# Altium PCB LimeSDR-X3_1v0.PcbDoc (part 9 of 25)
Units mm, origin at the board's own origin, x right, y up, seen from the top; angles counter-clockwise.
Board outline 232.5 x 111.15 mm, 12 copper layers (Top, L2, L3, L4, L5, L6, L7, L8, L9, L10, L11, Bottom), stack 1.596 mm thick; 2057 components, 1391 nets, 8880 pads, 3657 vias.
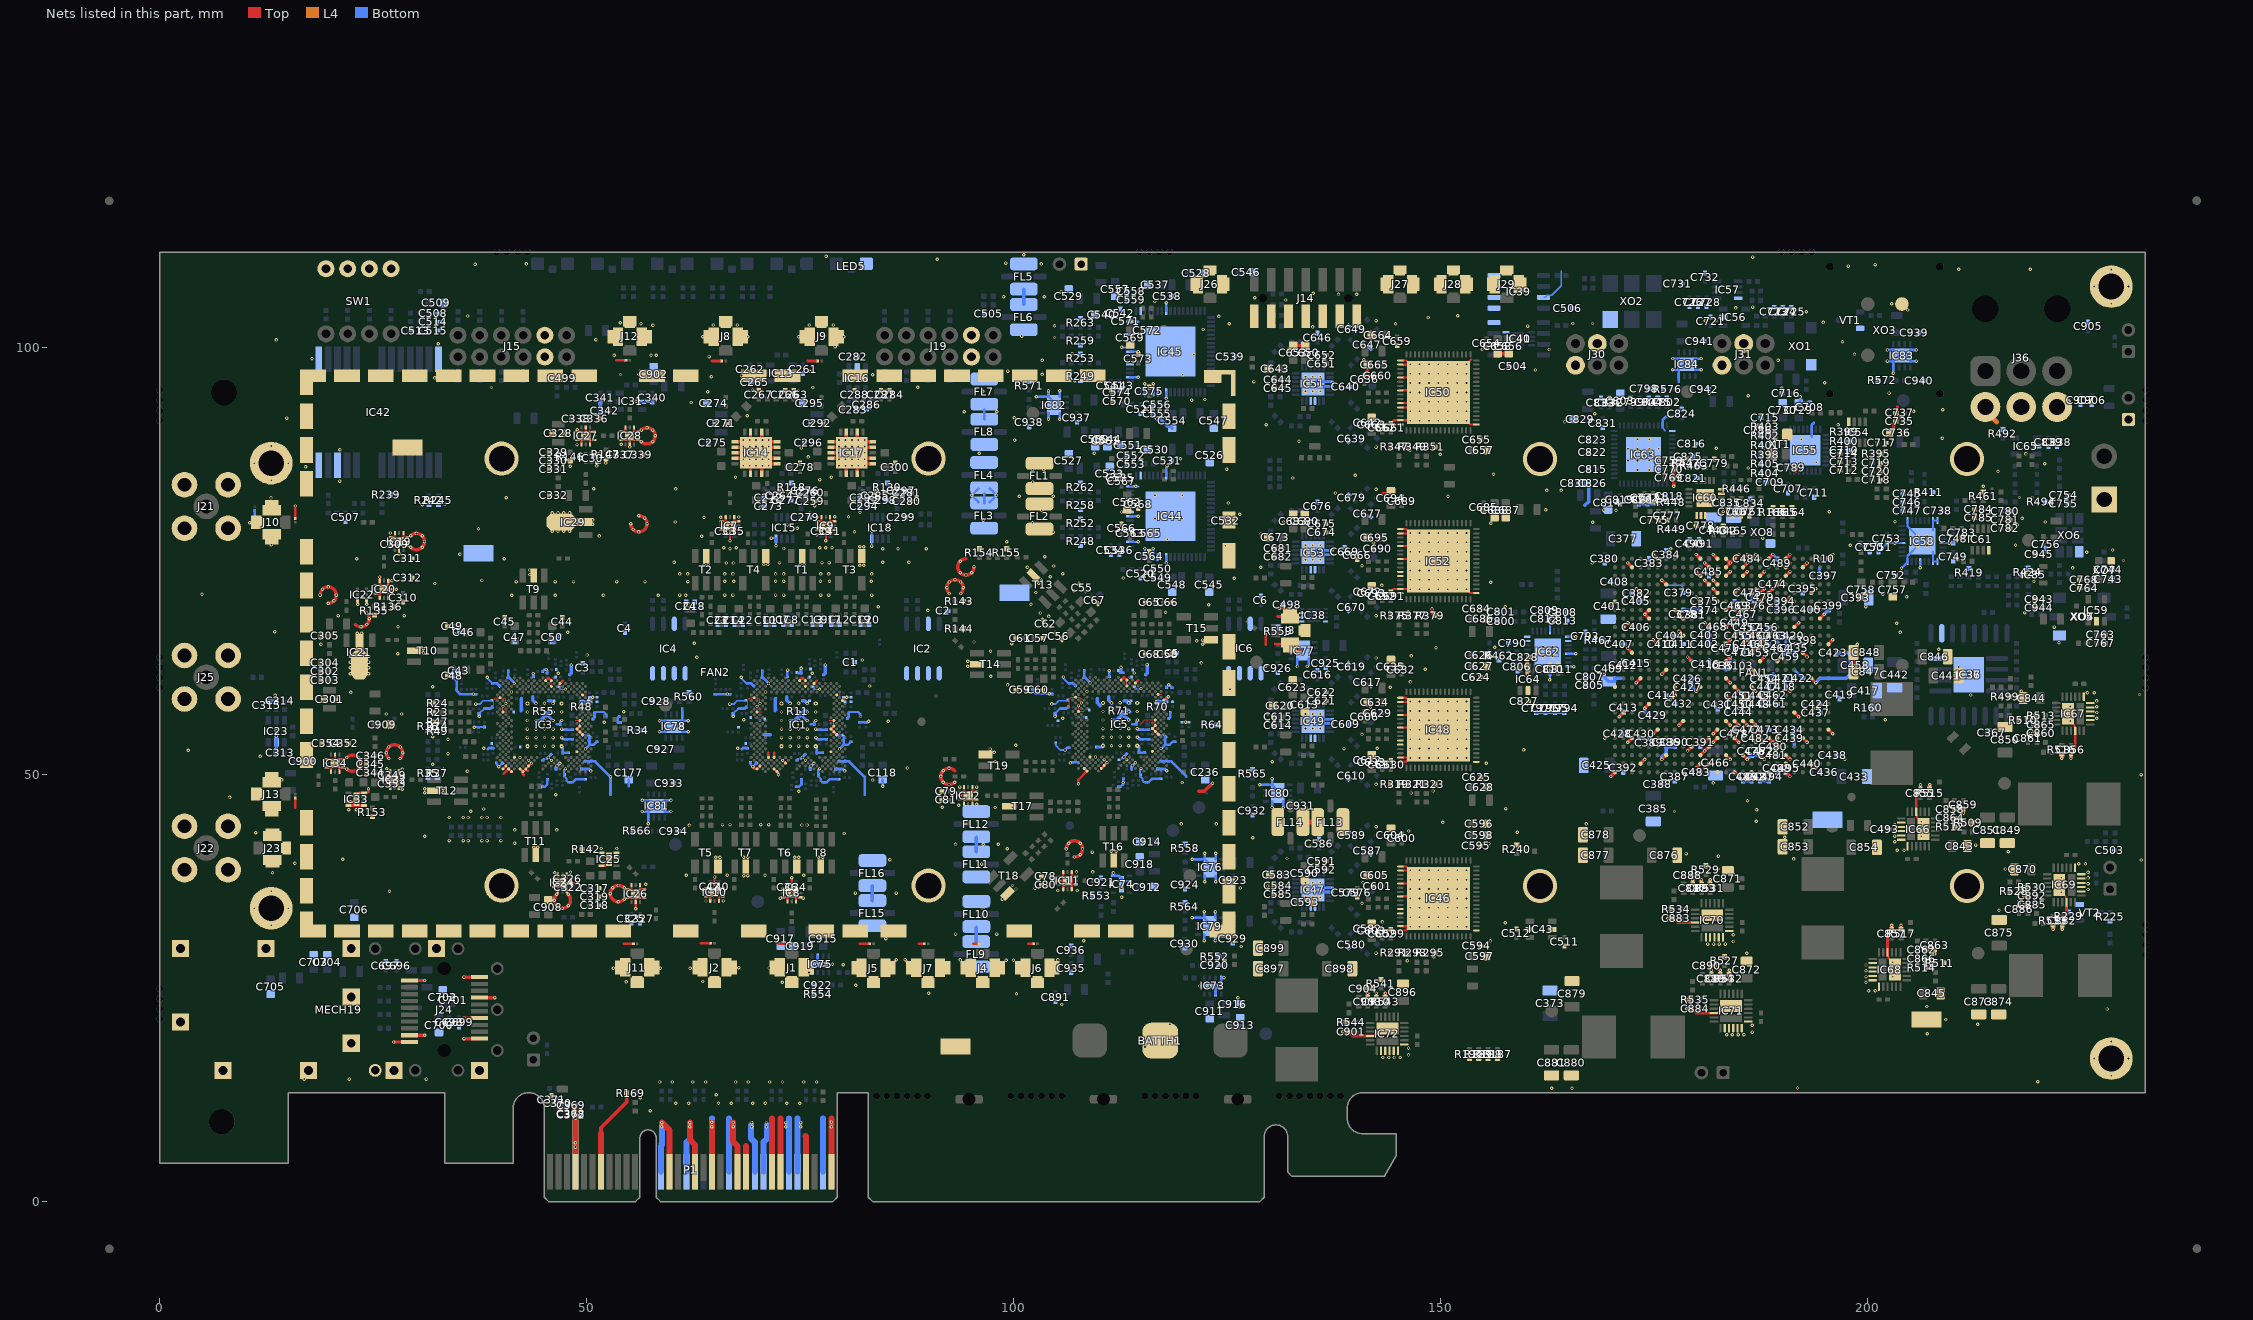
[diagram p19: the nets of this part, all layers, seen from the top]

## Via types
v1: diameter 0.4, hole 0.2, Top to Bottom, tented both sides, 3068 vias
v2: diameter 0.35, hole 0.2, Top to Bottom, tented both sides, 272 vias
v3: diameter 0.5, hole 0.2, Top to Bottom, tented bottom, 196 vias
v4: diameter 0.5, hole 0.2, Top to Bottom, tented both sides, 102 vias
v5: diameter 0.8, hole 0.4, Top to Bottom, tented both sides, 13 vias
v6: diameter 0.4, hole 0.2, Top to Bottom, tented top, 6 vias

## Nets (pads, with @x,y where several pads share a name; then routed paths per layer and width w, separated by ;. In a path a pad name is that pad's centre, name@x,y a point inside that pad or via, vN(x,y) a via of type N, cw(c..) or ccw(c..) an arc to the next point about the centre after c; other vN are vias at no path point) (continued)
GND: BATTH1.2 C1.2 C2.2 C3.2 C4.2 C5.2 C6.2 C7.1 C8.1 C9.1 C10.1 C11.1 C12.1 C13.1 C14.1 C17.1 C18.1 C19.1 C20.1 C21.1 C22.1 C23.1 C24.1 C33.2 C34.2 C35.1 C36.1 C39.2 C40.2 C41.1 C42.1 C43.1 C44.1 C45.1 C46.1 C47.1 C48.1 C49.1 C50.1 C55.1 C56.1 C57.1 C58.1 C59.1 C60.1 C61.1 C62.1 C65.1 C66.1 C67.1 C68.1 C78.2 C79.2 C80.1 C81.1 C82.2 C83.2 C84.2 C85.2 C86.2 C87.1 C88.2 C89.2 C90.2 C91.2 C92.2 C93.2 C94.2 C95.2 C96.2 C97.2 C98.2 C99.2 C100.1 C101.2 C102.2 C103.2 C104.2 C105.2 C106.2 C107.1 C108.2 C109.1 C110.1 C111.2 C112.2 C113.2 C114.2 C115.2 C116.2 C117.2 C118.1 C119.2 C120.2 C121.2 C122.2 C123.2 C124.2 C125.2 C126.2 C127.2 C128.2 C129.2 C130.2 C131.2 C132.2 C133.2 C134.2 C135.2 C136.2 C137.2 C138.2 C139.2 C140.2 C141.2 C142.2 C143.2 C144.2 C145.2 C146.1 C147.2 C148.2 C149.2 C150.2 C151.2 C152.2 C153.2 C154.2 C155.2 C156.2 C157.2 C158.2 C159.1 C160.2 C161.2 C162.2 C163.2 C164.2 C165.2 C166.1 C167.2 C168.1 C169.1 C170.2 C171.2 C172.2 C173.2 C174.2 C175.2 C176.2 C177.1 C178.2 C179.2 C180.2 C181.2 C182.2 C183.2 C184.2 C185.2 C186.2 C187.2 C188.2 C189.2 C190.2 C191.2 C192.2 C193.2 C194.2 C195.2 C196.2 C197.2 C198.2 C199.2 C200.2 C201.2 C202.2 C203.2 C204.2 C205.1 C206.2 C207.2 C208.2 C209.2 C210.2 C211.2 C212.2 C213.2 C214.2 C215.2 C216.2 C217.2 C218.1 C219.2 C220.2 C221.2 C222.2 C223.2 C224.2 C225.1 C226.2 C227.1 C228.1 C229.2 C230.2 C231.2 C232.2 C233.2 C234.2 C235.2 C236.1 C237.2 C238.2 C239.2 C240.2 C241.2 C242.2 C243.2 C244.2 C245.2 C246.2 C247.2 C248.2 C249.2 C250.2 C251.2 C252.2 C253.2 C254.2 C255.2 C256.2 C257.2 C258.2 C259.2 C260.1 C261.1 C262.1 C263.2 C264.1 C265.2 C266.1 C267.1 C271.2 C272.1 C273.2 C274.1 C275.2 C276.2 C277.2 C278.2 C279.2 C280.2 C281.1 C282.1 C283.1 C284.2 C285.1 C286.2 C287.1 C288.1 C292.2 C293.1 C294.2 C295.1 C296.2 C297.2 C298.2 C299.2 C300.2 C301.2 C302.2 C303.1 C304.2 C305.2 C309.2 C310.2 C311.1 C312.1 C313.1 C314.1 C315.2 C317.2 C318.1 C319.2 C322.2 C325.2 C326.1 C327.1 C328.2 C329.1 C330.2 C331.2 C332.2 C336.2 C337.2 C338.1 C339.1 C340.1 C341.1 C342.2 C344.2 C345.1 C346.2 C349.2 C352.2 C353.1 C354.1 C367.2 C368.2 C369.2 C370.2 C371.2 C372.2 C373.1 C374.1 C375.2 C376.2 C377.1 C378.1 C379.2 C380.2 C381.2 C382.2 C383.2 C384.2 C385.1 C386.1 C387.2 C388.2 C389.2 C390.2 C391.2 C392.2 C393.1 C394.1 C395.2 C396.2 C397.2 C398.2 C399.2 C400.2 C401.1 C402.1 C403.2 C404.2 C405.2 C406.2 C407.2 C408.2 C409.1 C410.1 C411.2 C412.2 C413.2 C414.2 C415.2 C416.2 C417.1 C418.1 C419.2 C420.2 C421.2 C422.2 C423.2 C424.2 C425.1 C426.1 C427.2 C428.2 C429.2 C430.2 C431.2 C432.2 C433.1 C434.1 C435.2 C436.2 C437.2 C438.2 C439.2 C440.2 C441.1 C442.1 C443.1 C444.1 C445.2 C446.2 C447.2 C448.2 C449.2 C450.2 C451.2 C452.2 C453.2 C454.2 C455.2 C456.2 C457.2 C458.1 C459.1 C460.2 C461.2 C462.2 C463.2 C464.2 C465.1 C466.1 C467.1 C468.2 C469.2 C470.2 C471.2 C472.1 C473.2 C474.2 C475.2 C476.2 C477.2 C478.2 C479.2 C480.2 C481.2 C482.2 C483.1 C484.2 C485.2 C486.2 C487.2 C488.2 C489.2 C490.2 C491.2 C492.2 C493.2 C494.2 C495.2 C498.2 C499.2 C503.2 C504.2 C505.2 C506.2 C507.1 C508.1 C509.1 C511.1 C512.2 C513.2 C514.1 C515.2 C520.1 C521.1 C526.1 C527.1 C528.1 C529.1 C530.1 C531.1 C532.1 C533.1 C534.1 C535.1 C536.1 C537.1 C538.1 C539.1 C540.1 C541.1 C542.1 C543.1 C544.1 C545.1 C546.1 C547.1 C548.1 C549.1 C550.1 C551.1 C552.1 C553.1 C554.1 C555.1 C556.1 C557.1 C558.1 C559.1 C560.1 C561.1 C562.1 C563.1 C564.1 C565.1 C566.1 C567.1 C568.1 C569.1 C570.1 C571.1 C572.1 C573.1 C574.1 C575.1 C576.1 C579.2 C580.2 C582.1 C583.1 C584.2 C585.2 C586.2 C587.2 C589.1 C590.1 C591.2 C592.2 C593.1 C594.1 C595.1 C596.1 C597.1 C598.2 C599.1 C600.1 C601.1 C602.1 C603.1 C604.1 C605.2 C606.1 C609.2 C610.2 C612.1 C613.1 C614.2 C615.2 C616.2 C617.2 C619.1 C620.1 C621.2 C622.2 C623.1 C624.1 C625.1 C626.1 C627.1 C628.2 C629.1 C630.1 C631.1 C632.1 C633.1 C634.1 C635.2 C636.1 C639.2 C640.2 C642.1 C643.1 C644.2 C645.2 C646.2 C647.2 C649.1 C650.1 C651.2 C652.2 C653.1 C654.1 C655.1 C656.1 C657.1 C658.2 C659.1 C660.1 C661.1 C662.1 C663.1 C664.1 C665.2 C666.1 C669.2 C670.2 C672.1 C673.1 C674.2 C675.2 C676.2 C677.2 C679.1 C680.1 C681.2 C682.2 C683.1 C684.1 C685.1 C686.1 C687.1 C688.2 C689.1 C690.1 C691.1 C692.1 C693.1 C694.1 C695.2 C696.1 C697.1 C698.1 C699.1 C700.1 C701.1 C702.1 C703.1 C704.1 C705.1 C706.1 C707.1 C708.1 C709.1 C710.1 C711.1 C712.1 C713.2 C714.2 C715.1 C716.1 C717.2 C718.1 C719.2 C720.2 C721.1 C723.1 C724.1 C725.2 C726.1 C727.2 C728.2 C729.2 C730.1 C731.1 C732.2 C735.1 C736.1 C737.2 C738.1 C743.1 C744.1 C745.1 C746.1 C747.1 C748.1 C749.1 C750.1 C751.1 C752.1 C753.1 C754.1 C755.1 C756.1 C757.2 C758.2 C759.1 C760.1 C761.2 C762.2 C763.1 C764.1 C767.1 C768.1 C769.2 C770.2 C771.1 C772.2 C775.1 C777.1 C778.2 C779.1 C780.1 C781.2 C782.2 C783.2 C784.1 C785.2 C786.1 C789.1 C790.1 C793.1 C794.1 C795.1 C796.1 C797.1 C798.2 C799.2 C800.1 C801.1 C802.1 C803.2 C804.2 C805.1 C806.1 C807.1 C808.1 C809.1 C810.1 C811.1 C812.1 C813.1 C814.2 C815.2 C816.2 C817.1 C818.1 C819.1 C820.1 C821.1 C822.1 C823.1 C824.1 C825.1 C826.1 C827.1 C828.2 C829.2 C830.2 C831.1 C832.1 C833.1 C834.1 C835.1 C838.2 C839.1 C843.1 C844.1 C845.1 C846.1 C847.1 C848.1 C849.1 C850.1 C851.1 C852.1 C853.1 C854.1 C855.2 C856.2 C857.2 C858.2 C859.2 C860.2 C861.2 C862.2 C863.2 C864.2 C865.2 C866.2 C870.1 C871.1 C872.1 C873.1 C874.1 C875.1 C876.1 C877.1 C878.1 C879.1 C880.1 C881.1 C882.2 C883.2 C884.2 C885.2 C886.2 C887.2 C888.2 C889.2 C890.2 C891.1 C892.2 C893.2 C894.2 C896.1 C897.1 C898.1 C899.1 C900.1 C901.2 C902.1 C903.2 C904.2 C905.2 C906.2 C907.2 C908.1 C909.1 C910.1 C911.1 C912.1 C913.1 C914.1 C915.1 C916.1 C917.1 C918.1 C919.1 C920.2 C921.2 C922.2 C923.1 C924.1 C925.1 C926.1 C927.1 C928.1 C929.1 C930.1 C931.1 C932.1 C933.1 C934.1 C935.1 C936.2 C937.1 C938.1 C939.1 C940.1 C941.1 C942.1 C943.1 C944.1 C945.1 ESD1.2 ESD2.2 ESD3.2 ESD4.2 ESD5.2 ESD6.2 ESD7.2 ESD8.2 ESD9.2 ESD10.2 ESD11.2 ESD12.2 ESD13.2 ESD14.2 FAN1.1 FAN2.1 FL1.2 FL1.4 FL2.2 FL2.4 FL3.2 FL3.4 FL4.2 FL4.4 FL5.2 FL5.4 FL6.2 FL6.4 FL7.2 FL7.4 FL8.2 FL8.4 FL9.2 FL9.4 FL10.2 FL10.4 FL11.2 FL11.4 FL12.2 FL12.4 FL13.2 FL13.4 FL14.2 FL14.4 FL15.2 FL15.4 FL16.2 FL16.4 FR103.1 IC1.AA31 IC1.AF32 IC1.AG29 IC1.AJ7 IC1.AJ9 IC1.AJ19 IC1.AK12 IC1.AK20 IC1.AL13 IC1.AL23 IC1.AM4 IC1.AM22 IC1.AN3 IC1.AN9 IC1.AN25 IC1.AP10 IC1.B18 IC1.B20 IC1.C7 IC1.C23 IC1.D20 IC1.E25 IC1.F6 IC1.G31 IC1.GND IC1.H2 IC1.J33 IC1.K4 IC1.L3 IC1.N3 IC1.T30 IC1.V30 IC1.W29 IC1.Y30 IC2.1 IC2.2 IC2.3 IC2.4 IC2.7 IC3.AA31 IC3.AF32 IC3.AG29 IC3.AJ7 IC3.AJ9 IC3.AJ19 IC3.AK12 IC3.AK20 IC3.AL13 IC3.AL23 IC3.AM4 IC3.AM12 IC3.AM22 IC3.AN3 IC3.AN5 IC3.AN9 IC3.AN11 IC3.AN25 IC3.AP6 IC3.AP10 IC3.B18 IC3.B20 IC3.C7 IC3.C23 IC3.D20 IC3.E25 IC3.F6 IC3.G31 IC3.GND IC3.H2 IC3.J33 IC3.K4 IC3.L3 IC3.N3 IC3.T30 IC3.V30 IC3.W29 IC3.Y30 IC4.1 IC4.2 IC4.3 IC4.4 IC4.7 IC5.AA31 IC5.AF32 IC5.AG29 IC5.AJ7 IC5.AJ9 IC5.AJ19 IC5.AK12 IC5.AK20 IC5.AL13 IC5.AL23 IC5.AM12 IC5.AM22 IC5.AN5 IC5.AN11 IC5.AN25 IC5.AP6 IC5.B18 IC5.B20 IC5.C7 IC5.C23 IC5.D20 IC5.E25 IC5.F6 IC5.G31 IC5.GND IC5.H2 IC5.J33 IC5.K4 IC5.L3 IC5.N3 IC5.T30 IC5.V30 IC5.W29 IC5.Y30 IC6.1 IC6.2 IC6.3 IC6.4 IC6.7 IC7.1 IC7.3 IC7.4 IC7.6 IC7.7 IC7.9 IC7.11 IC7.PAD IC8.1 IC8.3 IC8.4 IC8.6 IC8.7 IC8.9 IC8.11 IC8.PAD IC9.1 IC9.3 IC9.4 IC9.6 IC9.7 IC9.9 IC9.11 IC9.PAD IC10.1 IC10.3 IC10.4 IC10.6 IC10.7 IC10.9 IC10.11 IC10.PAD IC11.1 IC11.3 IC11.4 IC11.6 IC11.7 IC11.9 IC11.11 IC11.PAD IC12.1 IC12.3 IC12.4 IC12.6 IC12.7 IC12.9 IC12.11 IC12.PAD IC13.2 IC14.2 IC14.4 IC14.6 IC14.7 IC14.9 IC14.10 IC14.12 IC14.14 IC14.16 IC14.17 IC14.18 IC14.19 IC14.PAD IC15.8 IC16.2 IC17.2 IC17.4 IC17.6 IC17.7 IC17.9 IC17.10 IC17.12 IC17.14 IC17.16 IC17.17 IC17.18 IC17.19 IC17.PAD IC18.8 IC19.1 IC19.3 IC19.4 IC19.6 IC19.7 IC19.9 IC19.11 IC19.PAD IC20.1 IC20.3 IC20.4 IC20.6 IC20.7 IC20.9 IC20.11 IC20.PAD IC21.2 IC22.3 IC22.4 IC23.2 IC24.1 IC24.3 IC24.4 IC24.6 IC24.7 IC24.9 IC24.11 IC24.PAD IC25.3 IC25.4 IC25.5 IC25.8 IC25.PAD IC26.1 IC26.3 IC26.4 IC26.6 IC26.7 IC26.9 IC26.11 IC26.PAD IC27.1 IC27.3 IC27.4 IC27.6 IC27.7 IC27.9 IC27.11 IC27.PAD IC28.1 IC28.3 IC28.4 IC28.6 IC28.7 IC28.9 IC28.11 IC28.PAD IC29.2 IC30.3 IC30.4 IC31.2 IC32.1 IC32.3 IC32.4 IC32.6 IC32.7 IC32.9 IC32.11 IC32.PAD IC33.3 IC33.4 IC33.5 IC33.8 IC33.PAD IC34.1 IC34.3 IC34.4 IC34.6 IC34.7 IC34.9 IC34.11 IC34.PAD IC35.A6 IC35.A8 IC35.A10 IC35.A12 IC35.A14 IC35.A16 IC35.A26 IC35.AA6 IC35.AA9 IC35.AA14 IC35.AA16 IC35.AA26 IC35.AB3 IC35.AB8 IC35.AB9 IC35.AB10 IC35.AB12 IC35.AB14 IC35.AB23 IC35.AC7 IC35.AC14 IC35.AC15 IC35.AC20 IC35.AD6 IC35.AD9 IC35.AD11 IC35.AD13 IC35.AD14 IC35.AD16 IC35.AE4 IC35.AE6 IC35.AE11 IC35.AE13 IC35.AE15 IC35.AE24 IC35.AF1 IC35.AF6 IC35.AF8 IC35.AF10 IC35.AF11 IC35.AF12 IC35.AF13 IC35.AF14 IC35.AF16 IC35.AF21 IC35.B3 IC35.B6 IC35.B15 IC35.B16 IC35.B23 IC35.C6 IC35.C9 IC35.C11 IC35.C13 IC35.C16 IC35.C20 IC35.D7 IC35.D15 IC35.D17 IC35.E4 IC35.E7 IC35.E8 IC35.E9 IC35.E10 IC35.E12 IC35.E14 IC35.E15 IC35.E24 IC35.F1 IC35.F9 IC35.F14 IC35.F21 IC35.G10 IC35.G11 IC35.G12 IC35.G13 IC35.G18 IC35.H5 IC35.H25 IC35.J2 IC35.J12 IC35.J22 IC35.K9 IC35.K11 IC35.K13 IC35.K19 IC35.L6 IC35.L10 IC35.L12 IC35.L16 IC35.L19 IC35.L26 IC35.M3 IC35.M9 IC35.M13 IC35.M23 IC35.N10 IC35.N20 IC35.P7 IC35.P9 IC35.P13 IC35.P17 IC35.R4 IC35.R10 IC35.R24 IC35.T1 IC35.T9 IC35.T11 IC35.T13 IC35.T21 IC35.U8 IC35.U10 IC35.U12 IC35.U18 IC35.V5 IC35.V13 IC35.V15 IC35.V24 IC35.V25 IC35.W2 IC35.W12 IC35.W18 IC35.W22 IC35.Y10 IC35.Y11 IC35.Y12 IC35.Y13 IC35.Y19 IC35.Y22 IC36.4 IC36.PAD IC37.10 IC38.4 IC38.5 IC38.6 IC38.7 IC39.1 IC39.2 IC39.3 IC39.4 IC39.7 IC40.4 IC41.4 IC42.10 IC42.12 IC42.13 IC42.24 IC43.2 IC43.5 IC44.10 IC44.12 IC44.13 IC44.15 IC44.20 IC44.23 IC44.26 IC44.27 IC44.30 IC44.33 IC44.36 IC44.42 IC44.EP IC45.10 IC45.12 IC45.13 IC45.15 IC45.20 IC45.23 IC45.26 IC45.27 IC45.30 IC45.33 IC45.36 IC45.42 IC45.EP IC46.17 IC46.18 IC46.21 IC46.24 IC46.27 IC46.28 IC46.31 IC46.32 IC46.49 IC46.65 IC47.15 IC47.16 IC47.21 IC47.22 IC47.25 IC48.17 IC48.18 IC48.21 IC48.24 IC48.27 IC48.28 IC48.31 IC48.32 IC48.49 IC48.65 IC49.15 IC49.16 IC49.21 IC49.22 IC49.25 IC50.17 IC50.18 IC50.21 IC50.24 IC50.27 IC50.28 IC50.31 IC50.32 IC50.49 IC50.65 IC51.15 IC51.16 IC51.21 IC51.22 IC51.25 IC52.17 IC52.18 IC52.21 IC52.24 IC52.27 IC52.28 IC52.31 IC52.32 IC52.49 IC52.65 IC53.15 IC53.16 IC53.21 IC53.22 IC53.25 IC54.8 IC55.22 IC55.EP IC56.2 IC57.8 IC58.4 IC58.9 IC58.15 IC58.16 IC58.21 IC58.25 IC58.26 IC58.29 IC58.32 IC59.2 IC60.1 IC60.2 IC60.3 IC60.9 IC60.10 IC60.21 IC61.8 IC62.4 IC62.9 IC62.15 IC62.16 IC62.21 IC62.25 IC62.26 IC62.29 IC62.32 IC63.1 IC63.47 IC63.PAD IC64.2 IC64.5 IC65.2 IC66.4 IC66.8 IC66.9 IC66.10 IC66.11 IC66.12 IC66.13 IC66.25 IC67.4 IC67.8 IC67.9 IC67.10 IC67.11 IC67.12 IC67.13 IC67.25 IC68.4 IC68.8 IC68.9 IC68.10 IC68.11 IC68.12 IC68.13 IC68.25 IC69.4 IC69.8 IC69.9 IC69.10 IC69.11 IC69.12 IC69.13 IC69.25 IC70.4 IC70.8 IC70.9 IC70.10 IC70.11 IC70.12 IC70.13 IC70.25 IC71.4 IC71.8 IC71.9 IC71.10 IC71.11 IC71.12 IC71.13 IC71.25 IC72.4 IC72.8 IC72.9 IC72.10 IC72.11 IC72.12 IC72.13 IC72.25 IC73.4 IC73.6 IC73.PAD IC74.4 IC74.6 IC74.PAD IC75.4 IC75.6 IC75.PAD IC76.4 IC76.9 IC77.4 IC77.9 IC78.4 IC78.9 IC79.4 IC79.9 IC80.4 IC80.9 IC81.4 IC81.9 IC82.4 IC82.9 IC83.4 IC83.9 IC84.4 IC84.9 IC85.3 J1.2 J2.2 J3.2 J4.2 J5.2 J6.2 J7.2 J8.2 J9.2 J10.2 J11.2 J12.2 J13.2 J14.1 J14.3 J14.5 J14.7 J14.9 J14.11 J14.13 J15.5 J15.11 J19.5 J19.11 J20.1 J21.2 J22.2 J23.2 J24.1 J24.9 J24.10 J24.11 J24.14 J24.17 J24.20 J25.2 J26.2 J27.2 J28.2 J29.2 J30.1 J30.4 J31.1 J31.4 J34.1 J35.1 J36.4 J36.5 J36.6 LED5.1 MECH15.MH1 MECH16.MH1 MECH17.MH1 MECH18.MH1 MECH19.1 MECH19.2 MECH19.3 MECH19.4 MECH19.5 MECH19.6 MECH19.7 MECH19.8 MECH19.9 MECH19.10 MECH19.11 MECH19.12 P1.A4 P1.A12 P1.A15 P1.A18 P1.A20 P1.A23 P1.A24 P1.A27 P1.A28 P1.A31 P1.B4 P1.B7 P1.B13 P1.B16 P1.B18 P1.B21 P1.B22 P1.B25 P1.B26 P1.B29 P1.B32 pad.0@17.175,32.45 pad.0@17.175,36.419 pad.0@17.175,40.388 pad.0@17.175,44.356 pad.0@17.175,52.294 pad.0@17.175,56.263 pad.0@17.175,60.231 pad.0@17.175,64.2 pad.0@17.175,68.169 pad.0@17.175,72.138 pad.0@17.175,76.106 pad.0@17.175,84.044 pad.0@17.175,88.013 pad.0@17.175,91.981 pad.0@17.175,95.95 pad.0@17.925,31.7 pad.0@17.925,96.7 pad.0@21.894,31.7 pad.0@21.894,96.7 pad.0@25.862,31.7 pad.0@25.862,96.7 pad.0@29.831,31.7 pad.0@29.831,96.7 pad.0@33.8,31.7 pad.0@33.8,96.7 pad.0@37.769,31.7 pad.0@37.769,96.7 pad.0@41.737,31.7 pad.0@41.737,96.7 pad.0@45.706,31.7 pad.0@45.706,96.7 pad.0@49.675,31.7 pad.0@49.675,96.7 pad.0@53.644,31.7 pad.0@57.612,96.7 pad.0@61.581,31.7 pad.0@61.581,96.7 pad.0@69.519,31.7 pad.0@69.519,96.7 pad.0@73.487,96.7 pad.0@77.456,31.7 pad.0@81.425,31.7 pad.0@81.425,96.7 pad.0@85.394,96.7 pad.0@85.894,31.7 pad.0@89.362,96.7 pad.0@93.331,96.7 pad.0@97.3,96.7 pad.0@100.612,31.7 pad.0@101.269,96.7 pad.0@105.237,96.7 pad.0@108.55,31.7 pad.0@109.206,96.7 pad.0@112.519,31.7 pad.0@117.237,31.7 pad.0@123.275,96.6 pad.0@124.425,31.7 pad.0@124.925,97.1 pad.0@125.175,32.45 pad.0@125.175,36.419 pad.0@125.175,40.388 pad.0@125.175,44.356 pad.0@125.175,48.325 pad.0@125.175,52.294 pad.0@125.175,56.262 pad.0@125.175,60.731 pad.0@125.175,64.95 pad.0@125.175,75.606 pad.0@125.175,79.825 pad.0@125.175,88.012 pad.0@125.175,91.981 pad.0@125.675,95.85 R10.1 R11.2 R14.2 R16.2 R23.2 R24.2 R34.1 R35.2 R37.2 R47.2 R48.1 R49.2 R55.2 R64.1 R70.1 R71.2 R118.1 R130.1 R135.2 R136.2 R142.1 R143.1 R144.1 R146.2 R147.2 R153.1 R154.1 R155.1 R160.1 R164.2 R165.2 R166.2 R169.2 R187.2 R188.2 R189.2 R190.2 R225.1 R229.2 R239.2 R240.1 R242.1 R245.1 R248.1 R249.1 R252.1 R253.1 R258.1 R259.1 R262.1 R263.1 R291.1 R293.1 R295.1 R319.1 R321.1 R323.1 R347.1 R349.1 R351.1 R375.1 R377.1 R379.1 R395.2 R398.2 R399.2 R400.2 R401.2 R402.2 R403.1 R404.1 R405.2 R411.1 R419.1 R424.1 R442.1 R446.1 R447.2 R448.2 R449.1 R461.2 R462.1 R463.2 R467.1 R475.2 R492.1 R494.1 R499.2 R509.2 R510.2 R511.2 R512.2 R513.2 R514.2 R515.1 R516.1 R517.2 R527.2 R528.2 R529.2 R530.2 R531.2 R532.2 R533.2 R534.1 R535.1 R541.2 R543.2 R544.1 R552.1 R553.1 R554.1 R558.1 R559.1 R560.1 R564.1 R565.1 R566.1 R571.2 R572.2 R576.2 SW1.1 SW1.3 SW1.5 SW1.7 T1.2 T2.2 T3.3 T4.3 T5.1 T6.1 T7.2 T8.2 T9.2 T10.2 T11.2 T12.2 T13.2 T14.2 T15.3 T16.2 T17.2 T18.1 T19.3 TP1.1 TP2.1 TP3.1 TP4.1 TP5.1 TP6.1 VT1.S VT2.S XO1.2 XO2.3 XO3.2 XO4.2 XO5.2 XO6.4 XO7.2 XO8.3 XT1.2 XT1.4 | length 1064.2
  Top w0.11: 39.078,57.912 39.078,58.762 39.318,59.003 40.301,59.003 40.5,58.803 v2(40.5,58.337) ; v2(40.167,58.004) IC3.N3@40.167,57.338 40.803,57.338 ; IC3.D20@45.828,60.335 IC3.B20@45.828,61.001 ; 48.602,56.339 IC3.T30@49.158,56.339 IC3.V30@49.158,55.673 ; IC3.G31@49.491,59.336 49.931,59.336 49.931,59.339 ; 68.828,57.912 68.828,58.762 69.068,59.003 IC1.H2@69.584,59.003 70.051,59.003 70.25,58.803 v2(70.25,58.337) ; v2(69.917,58.004) IC1.N3@69.917,57.338 70.553,57.338 ; IC1.D20@75.578,60.335 IC1.B20@75.578,61.001 ; 78.352,56.339 IC1.T30@78.908,56.339 IC1.V30@78.908,55.673 ; IC1.G31@79.241,59.336 79.681,59.336 79.681,59.339 ; 106.472,57.969 106.472,58.819 106.712,59.059 IC5.H2@107.228,59.059 107.695,59.059 107.894,58.86 v2(107.894,58.393) ; v2(107.561,58.06) IC5.N3@107.561,57.394 108.197,57.394 ; IC5.D20@113.222,60.391 IC5.B20@113.222,61.057 ; 114.954,56.04 115.309,56.395 IC5.T30@116.552,56.395 IC5.V30@116.552,55.729 ; IC5.G31@116.885,59.392 117.325,59.392 117.325,59.395
  Top w0.2: IC3.J33@50.157,58.67 50.282,58.67 v1(50.681,59.069) ; IC1.J33@79.907,58.67 80.032,58.67 v1(80.431,59.069) ; IC5.J33@117.551,58.726 117.676,58.726 v1(118.075,59.125) ; IC72.4@142.1,19.4 142.2,19.5 142.425,19.5 142.575,19.65 143.125,19.65 143.6,20.125 IC72.25@143.725,20.25 ; IC70.4@180.151,32.68 180.251,32.779 180.476,32.779 180.626,32.929 181.176,32.929 181.651,33.404 IC70.25@181.776,33.529 ; IC71.4@182.35,22.075 182.45,22.175 182.675,22.175 182.825,22.325 183.375,22.325 183.85,22.8 IC71.25@183.975,22.925 ; IC68.4@202.3,28.8 202.4,28.7 202.4,28.475 202.55,28.325 202.55,27.775 203.025,27.3 IC68.25@203.15,27.175 ; IC66.4@205.65,45.25 205.75,45.15 205.75,44.925 205.9,44.775 205.9,44.225 206.375,43.75 IC66.25@206.5,43.625 ; IC69.25@222.4,37.075 222.525,36.95 223,36.475 223,35.925 223.15,35.775 223.15,35.55 IC69.4@223.25,35.45 ; IC67.25@223.425,57.125 223.55,57 224.025,56.525 224.025,55.975 224.175,55.825 224.175,55.6 IC67.4@224.275,55.5
  Top w0.25: IC34.3@19.516,50.832 IC34.PAD@20.016,50.832 ; IC34.1@19.516,51.832 20.016,51.832 v1(20.516,51.332) ; IC34.4@20.016,50.332 IC34.PAD@20.016,50.832 ; IC34.11@20.516,52.332 v1(20.516,51.332) ; IC34.6@21.016,50.332 IC34.PAD@21.016,50.832 ; IC34.7@21.516,50.832 IC34.PAD@21.016,50.832 ; IC34.9@21.516,51.832 21.016,51.832 v1(20.516,51.332) ; IC20.6@25.229,71.202 IC20.PAD@25.729,71.202 ; IC20.4@25.229,72.202 IC20.PAD@25.729,72.202 ; IC20.7@25.729,70.702 IC20.PAD@25.729,71.202 ; v1(25.729,73.139) IC20.3@25.729,72.702 IC20.PAD@25.729,72.202 ; v1(26.029,49.407) IC32.11@26.466,49.407 v1(27.466,49.407) ; IC20.9@26.729,70.702 26.729,71.202 IC20.PAD@26.229,71.702 ; IC32.1@26.966,48.407 IC32.9@26.966,50.257 ; IC19.9@27.004,76.789 27.504,76.789 IC19.PAD@28.004,77.289 ; IC19.7@27.004,77.789 IC19.PAD@27.504,77.789 ; v1(27.167,72.702) IC20.1@26.729,72.702 26.729,72.202 IC20.PAD@26.229,71.702 ; IC19.6@27.504,78.289 IC19.PAD@27.504,77.789 ; v1(27.667,71.702) IC20.11@27.229,71.702 IC20.PAD@26.229,71.702 ; IC32.3@27.966,48.407 IC32.7@27.966,50.257 ; IC32.PAD@27.966,48.907 IC32.4@28.466,48.907 ; IC32.PAD@27.966,49.907 IC32.6@28.466,49.907 ; v1(28.004,75.852) IC19.11@28.004,76.289 IC19.PAD@28.004,77.289 ; IC19.4@28.504,78.289 IC19.PAD@28.504,77.789 ; IC19.1@29.004,76.789 28.504,76.789 IC19.PAD@28.004,77.289 ; IC19.3@29.004,77.789 IC19.PAD@28.504,77.789 ; IC24.6@46.127,36.826 IC24.PAD@46.627,36.826 ; IC24.4@46.127,37.826 IC24.PAD@46.627,37.826 ; IC24.7@46.627,36.326 IC24.PAD@46.627,36.826 ; IC24.3@46.627,38.326 IC24.PAD@46.627,37.826 ; IC24.9@47.627,36.326 47.627,36.826 IC24.PAD@47.127,37.326 ; IC24.1@47.627,38.326 47.627,37.826 IC24.PAD@47.127,37.326 ; IC24.11@48.127,37.326 IC24.PAD@47.127,37.326 ; IC27.3@48.861,89.169 IC27.PAD@49.361,89.169 ; IC27.1@48.861,90.169 49.361,90.169 IC27.PAD@49.861,89.669 ; v1(48.916,37.326) IC24.PAD@47.127,37.326 ; IC27.4@49.361,88.669 IC27.PAD@49.361,89.169 ; IC27.11@49.861,90.669 IC27.PAD@49.861,89.669 ; IC27.6@50.361,88.669 IC27.PAD@50.361,89.169 ; IC27.7@50.861,89.169 IC27.PAD@50.361,89.169 ; IC27.9@50.861,90.169 50.361,90.169 IC27.PAD@49.861,89.669 ; IC28.9@54.011,89.17 54.511,89.17 v1(55.011,89.67) ; IC28.7@54.011,90.17 IC28.PAD@54.511,90.17 ; IC28.6@54.511,90.67 IC28.PAD@54.511,90.17 ; IC26.9@54.709,35.569 55.209,35.569 v1(55.709,36.069) ; IC26.7@54.709,36.569 IC26.PAD@55.209,36.569 ; IC28.11@55.011,88.67 v1(55.011,89.67) ; IC26.6@55.209,37.069 IC26.PAD@55.209,36.569 ; IC28.4@55.511,90.67 IC28.PAD@55.511,90.17 ; v1(55.709,34.279) IC26.11@55.709,35.069 v1(55.709,36.069) ; IC28.1@56.011,89.17 55.511,89.17 v1(55.011,89.67) ; IC28.3@56.011,90.17 IC28.PAD@55.511,90.17 ; IC26.4@56.209,37.069 IC26.PAD@56.209,36.569 ; IC26.1@56.709,35.569 56.209,35.569 v1(55.709,36.069) ; IC26.3@56.709,36.569 IC26.PAD@56.209,36.569 ; IC10.3@63.94,35.72 IC10.PAD@64.44,35.72 ; IC10.1@63.94,36.72 64.44,36.72 v1(64.94,36.22) ; IC10.4@64.44,35.22 IC10.PAD@64.44,35.72 ; v1(64.94,38.009) IC10.11@64.94,37.22 v1(64.94,36.22) ; IC10.6@65.44,35.22 IC10.PAD@65.44,35.72 ; IC7.9@65.747,78.66 66.247,78.66 v1(66.747,79.16) ; IC7.7@65.747,79.66 IC7.PAD@66.247,79.66 ; IC10.7@65.94,35.72 IC10.PAD@65.44,35.72 ; IC10.9@65.94,36.72 65.44,36.72 v1(64.94,36.22) ; IC7.6@66.247,80.16 IC7.PAD@66.247,79.66 ; v1(66.747,77.371) IC7.11@66.747,78.16 v1(66.747,79.16) ; IC7.4@67.247,80.16 IC7.PAD@67.247,79.66 ; IC7.1@67.747,78.66 67.247,78.66 v1(66.747,79.16) ; IC7.3@67.747,79.66 IC7.PAD@67.247,79.66 ; IC8.3@72.988,35.645 IC8.PAD@73.488,35.645 ; IC8.1@72.988,36.645 73.488,36.645 v1(73.988,36.145) ; IC8.4@73.488,35.145 IC8.PAD@73.488,35.645 ; v1(73.988,37.934) IC8.11@73.988,37.145 v1(73.988,36.145) ; IC8.6@74.488,35.145 IC8.PAD@74.488,35.645 ; IC8.7@74.988,35.645 IC8.PAD@74.488,35.645 ; IC8.9@74.988,36.645 74.488,36.645 v1(73.988,36.145) ; IC9.9@76.973,78.66 77.473,78.66 v1(77.973,79.16) ; IC9.7@76.973,79.66 IC9.PAD@77.473,79.66 ; IC9.6@77.473,80.16 IC9.PAD@77.473,79.66 ; v1(77.973,77.371) IC9.11@77.973,78.16 v1(77.973,79.16) ; IC9.4@78.473,80.16 IC9.PAD@78.473,79.66 ; IC9.1@78.973,78.66 78.473,78.66 v1(77.973,79.16) ; IC9.3@78.973,79.66 IC9.PAD@78.473,79.66 ; IC12.11@93.64,47.537 IC12.PAD@94.64,47.537 ; IC12.1@94.14,46.537 94.14,47.037 IC12.PAD@94.64,47.537 ; IC12.9@94.14,48.537 94.14,48.037 IC12.PAD@94.64,47.537 ; IC12.3@95.14,46.537 IC12.PAD@95.14,47.037 ; IC12.7@95.14,48.537 IC12.PAD@95.14,48.037 ; IC12.4@95.64,47.037 IC12.PAD@95.14,47.037 ; IC12.6@95.64,48.037 IC12.PAD@95.14,48.037 ; v1(104.664,37.575) v1(106.275,37.575) IC11.11@105.275,37.575 ; IC11.1@105.775,36.575 IC11.9@105.775,38.425 ; IC11.3@106.775,36.575 IC11.7@106.775,38.425 ; IC11.PAD@106.775,37.075 IC11.4@107.275,37.075 ; IC11.PAD@106.775,38.075 IC11.6@107.275,38.075 ; C602.1@143.125,31.875 143.25,31.75 IC46.32@145.25,31.75 145.9,31.75 IC46.65@146.4,32.25 ; C691.1@144.125,71.375 144.5,71.75 IC52.31@145.25,71.75 IC52.65@147.95,71.75 ; C661.1@144.125,91.125 144.5,91.5 IC50.31@145.25,91.5 IC50.65@147.95,91.5 ; C691.1@144.25,71.25 IC52.32@145.25,71.25 ; C661.1@144.25,91 IC50.32@145.25,91 ; IC46.31@145.25,32.25 IC46.65@146.4,32.25 ; IC46.24@145.25,35.75 IC46.65@149.45,35.75 ; IC46.21@145.25,37.25 IC46.65@149.45,37.25 ; IC46.18@145.25,38.75 IC46.65@149.45,38.75 ; IC46.17@145.25,39.25 145.9,39.25 IC46.65@146.4,38.75 ; IC48.32@145.25,51.5 145.9,51.5 146.4,52 IC48.31@145.25,52 ; IC48.24@145.25,55.5 IC48.65@149.45,55.5 ; IC48.21@145.25,57 IC48.65@149.45,57 ; IC48.18@145.25,58.5 IC48.65@149.45,58.5 ; IC48.17@145.25,59 145.9,59 IC48.65@146.4,58.5 ; IC52.24@145.25,75.25 IC52.65@147.95,75.25 ; IC52.21@145.25,76.75 IC52.65@147.95,76.75 ; IC52.18@145.25,78.25 IC52.65@147.95,78.25 ; IC52.17@145.25,78.75 145.9,78.75 IC52.65@146.4,78.25 ; IC50.28@145.25,93 IC50.65@147.95,93 ; IC50.27@145.25,93.502 IC50.65@147.95,93.502 ; IC50.24@145.25,95 IC50.65@147.95,95 ; IC50.21@145.25,96.5 IC50.65@147.95,96.5 ; IC50.18@145.25,98 IC50.65@146.4,98 ; IC50.17@145.25,98.5 145.9,98.5 IC50.65@146.4,98 ; IC50.65@147.95,98 IC50.65@146.4,98 ; IC46.65@149.45,32.25 IC46.65@146.4,32.25 ; v3(149.7,75) 153.45,71.25 IC52.49@154.15,71.25 ; 153.55,98.6 v3(153,98.05) v3(151.9,96.95) v3(150.8,95.85) v3(149.7,94.75) 153.45,91 IC50.49@154.15,91 ; IC34.PAD@20.016,50.832 v1(20.516,51.332) ; v1(20.516,51.332) IC34.PAD@21.016,50.832 ; IC20.PAD@25.729,71.202 IC20.PAD@26.229,71.702 ; IC20.PAD@25.729,72.202 IC20.PAD@26.229,71.702 ; IC19.PAD@27.504,77.789 IC19.PAD@28.004,77.289 ; IC19.PAD@28.004,77.289 IC19.PAD@28.504,77.789 ; IC24.PAD@46.627,36.826 IC24.PAD@47.127,37.326 ; IC24.PAD@46.627,37.826 IC24.PAD@47.127,37.326 ; IC27.PAD@49.361,89.169 IC27.PAD@49.861,89.669 ; IC27.PAD@49.861,89.669 IC27.PAD@50.361,89.169 ; IC28.PAD@54.511,90.17 v1(55.011,89.67) ; v1(55.011,89.67) IC28.PAD@55.511,90.17 ; IC26.PAD@55.209,36.569 v1(55.709,36.069) ; v1(55.709,36.069) IC26.PAD@56.209,36.569 ; IC10.PAD@64.44,35.72 v1(64.94,36.22) ; v1(64.94,36.22) IC10.PAD@65.44,35.72 ; IC7.PAD@66.247,79.66 v1(66.747,79.16) ; v1(66.747,79.16) IC7.PAD@67.247,79.66 ; IC8.PAD@73.488,35.645 v1(73.988,36.145) ; v1(73.988,36.145) IC8.PAD@74.488,35.645 ; IC9.PAD@77.473,79.66 v1(77.973,79.16) ; v1(77.973,79.16) IC9.PAD@78.473,79.66 ; IC12.PAD@94.64,47.537 IC12.PAD@95.14,48.037 ; IC12.PAD@94.64,47.537 IC12.PAD@95.14,47.037